# KiCad board R-PCBA-VPEG-PWR.kicad_pcb
date: 2024-04-13; rev: ${REVISION}; company: ${COMPANY}
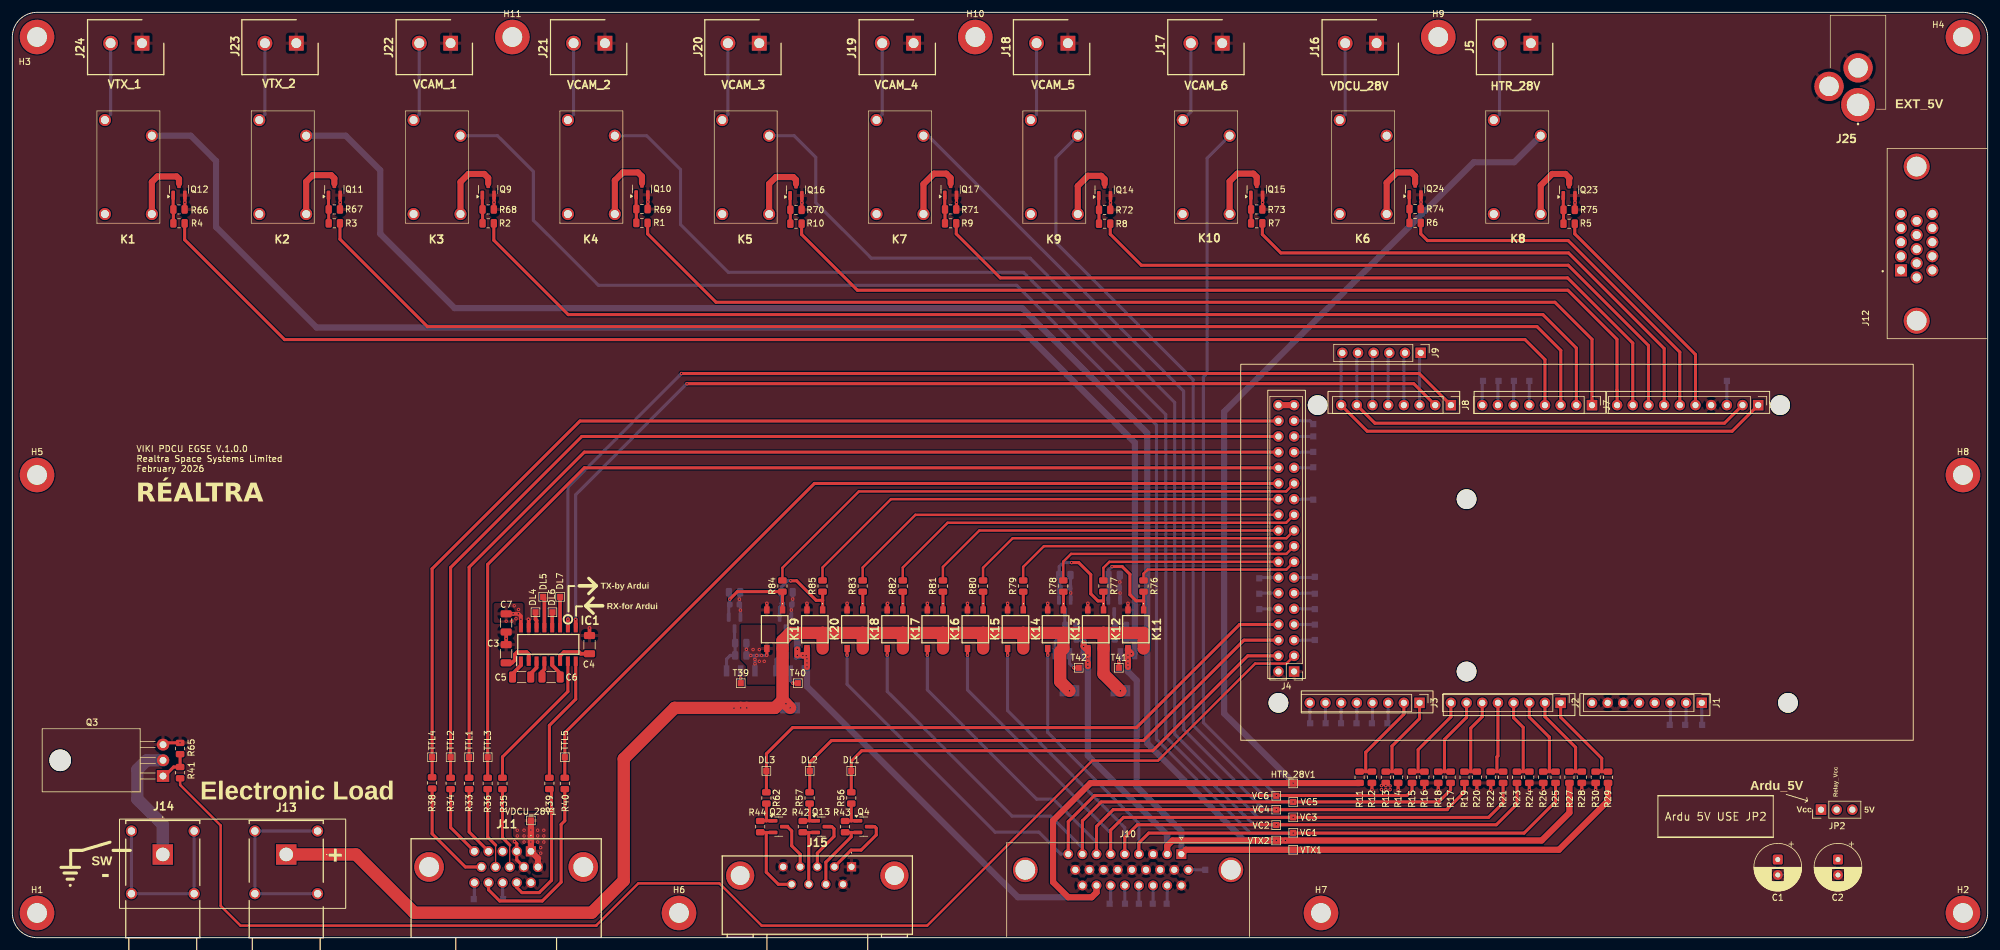
[diagram p0: board, top side]
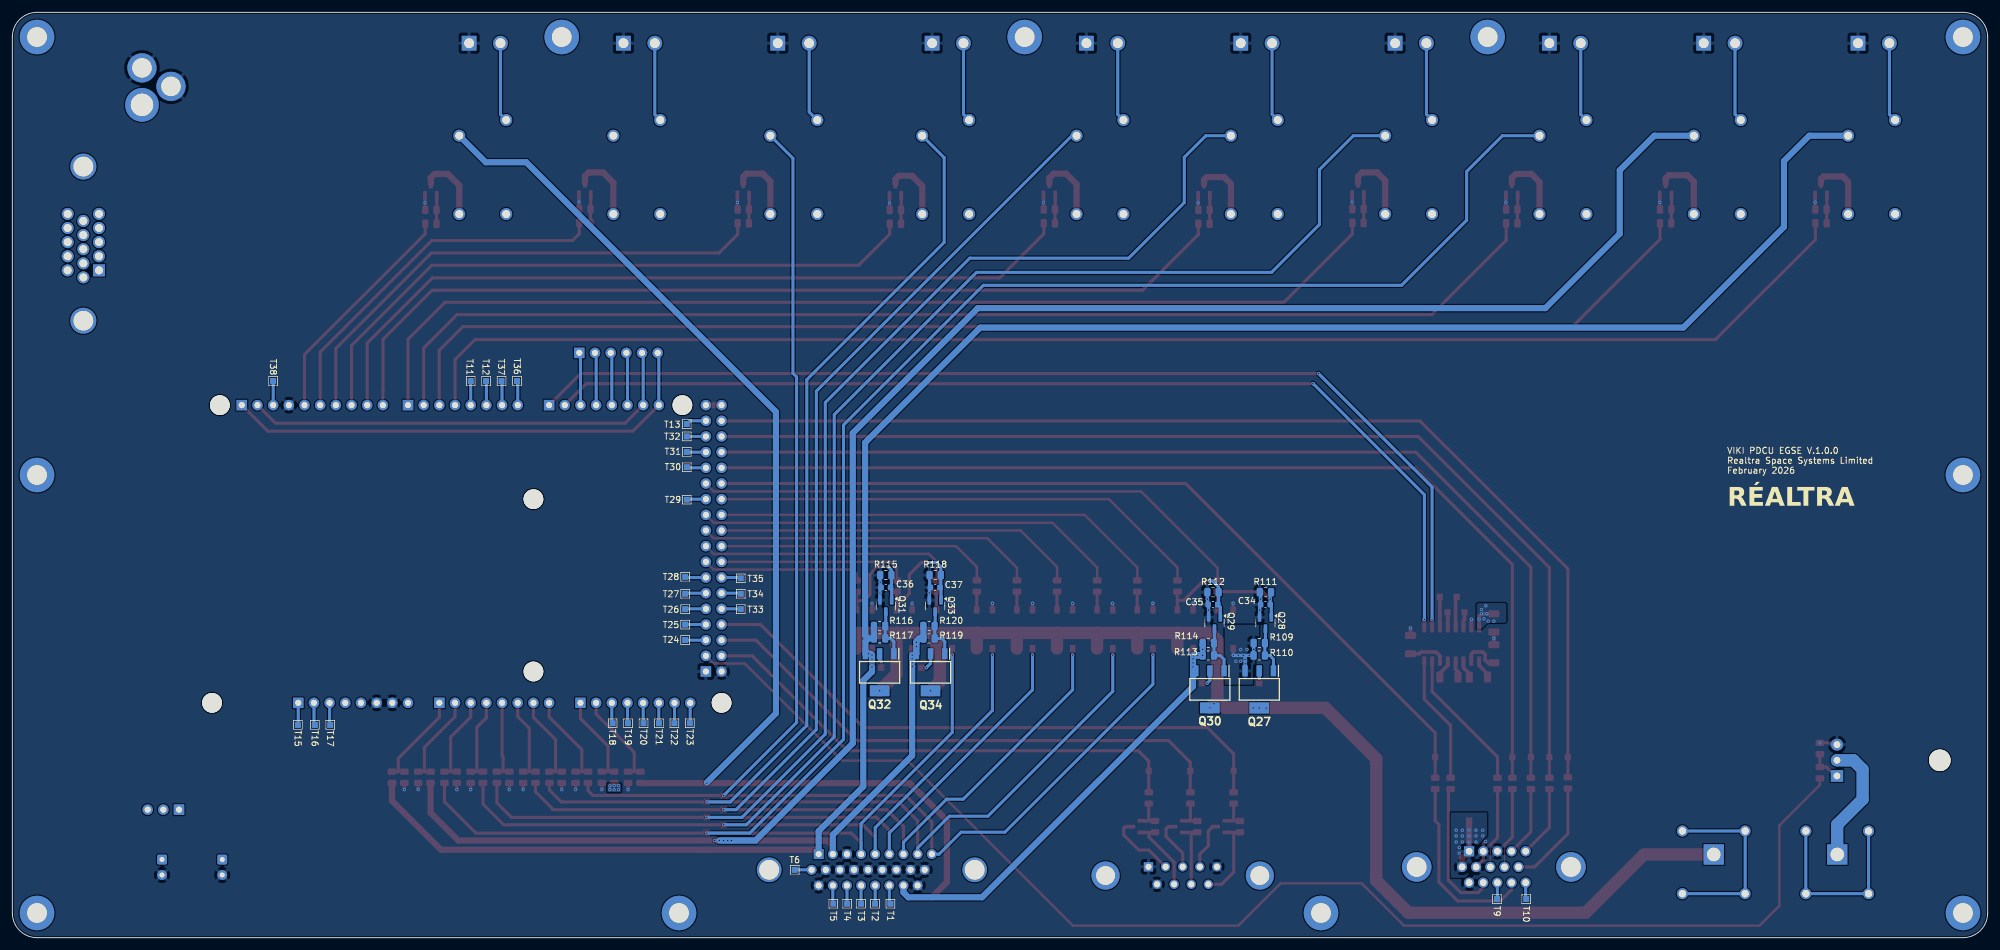
[diagram p1: board, bottom side, seen from below]

Outline 320 x 150 mm; copper layers: L1 (Sig, GND), L2 (GND) (plane), L3 (PWR) (plane), L4 (Sig, GND). Coordinates in mm from the lower left corner of the outline.
Outline path: 0,146 arc(1.17,148.83) 4,150 316,150 arc(318.83,148.83) 320,146 320,4 arc(318.83,1.17) 316,0 4,0 arc(1.17,1.17) 0,4 0,146
Stack: L1 (Sig, GND) 0.07mm / dielectric 0.1mm FR4_7628 er 4.29 / L2 (GND) 0.035mm / dielectric 1.21mm FR4 er 4.6 / L3 (PWR) 0.035mm / dielectric 0.1mm FR4_7628 er 4.29 / L4 (Sig, GND) 0.07mm

## Placement (name value [footprint] x y rotation side)
C1  100uF  [CP_Radial_D7.5mm_P2.50mm]  286 12.66 270 top
C2  100uF  [CP_Radial_D7.5mm_P2.50mm]  295.75 12.66 270 top
C3  1uF  [C_1206_3216Metric]  80 46.03 90 top
C4  1uF  [C_1206_3216Metric]  93.5 47.5 90 top
C5  1uF  [C_1206_3216Metric]  82.5 42.25 0 top
C6  1uF  [C_1206_3216Metric]  87.28 42.25 0 top
C7  1uF  [C_1206_3216Metric]  80 51.03 270 top
C34  100n  [C_0603_1608Metric]  117 54 0 bottom
C35  100n  [C_0603_1608Metric]  125.5 54 0 bottom
C36  100n  [C_0603_1608Metric]  178.5 56.77 0 bottom
C37  100n  [C_0603_1608Metric]  170.5 56.77 0 bottom
DL1  TestPoint  [TestPoint_Pad_1.0x1.0mm]  135.9 27.04 90 top
DL2  TestPoint  [TestPoint_Pad_1.0x1.0mm]  129.18 27.04 90 top
DL3  TestPoint  [TestPoint_Pad_1.0x1.0mm]  122.15 27.04 90 top
DL4  TestPoint  [TestPoint_Pad_1.0x1.0mm]  84.75 52.75 90 top
DL5  TestPoint  [TestPoint_Pad_1.0x1.0mm]  86 55.25 90 top
DL6  TestPoint  [TestPoint_Pad_1.0x1.0mm]  87.5 52.75 90 top
DL7  TestPoint  [TestPoint_Pad_1.0x1.0mm]  88.75 55.25 90 top
H1  MountingHole_Pad_MP  [MountingHole_3.2mm_M3_DIN965_Pad]  4 4 0 top
H2  MountingHole_Pad_MP  [MountingHole_3.2mm_M3_DIN965_Pad]  316 4 0 top
H3  MountingHole_Pad_MP  [MountingHole_3.2mm_M3_DIN965_Pad]  4 146 0 top
H4  MountingHole_Pad_MP  [MountingHole_3.2mm_M3_DIN965_Pad]  316 146 0 top
H5  MountingHole_Pad_MP  [MountingHole_3.2mm_M3_DIN965_Pad]  4 75 0 top
H6  MountingHole_Pad_MP  [MountingHole_3.2mm_M3_DIN965_Pad]  108 4 0 top
H7  MountingHole_Pad_MP  [MountingHole_3.2mm_M3_DIN965_Pad]  212 4 0 top
H8  MountingHole_Pad_MP  [MountingHole_3.2mm_M3_DIN965_Pad]  316 75 0 top
H9  MountingHole_Pad_MP  [MountingHole_3.2mm_M3_DIN965_Pad]  231 146 0 top
H10  MountingHole_Pad_MP  [MountingHole_3.2mm_M3_DIN965_Pad]  156 146 0 top
H11  MountingHole_Pad_MP  [MountingHole_3.2mm_M3_DIN965_Pad]  81 146 0 top
HTR_28V1  TestPoint  [TestPoint_Pad_1.0x1.0mm]  207.5 25 0 top
IC1  MAX232EIDR  [SOIC127P600X175-16N]  86.82 47.54 90 top
J1  Power  [PinHeader_1x08_P2.54mm_Vertical]  273.69 38.06 270 top
J2  Analog  [PinHeader_1x08_P2.54mm_Vertical]  250.82 38.06 270 top
J3  Analog  [PinHeader_1x08_P2.54mm_Vertical]  227.96 38.06 270 top
J4  Digital  [PinHeader_2x18_P2.54mm_Vertical]  207.64 43.15 180 top
J5  OSTOQ025450  [SHDR2W100P0X508_1X2_1216X860X1230P]  246 145 180 top
J6  PWM  [PinHeader_1x10_P2.54mm_Vertical]  282.83 86.32 270 top
J7  PWM  [PinHeader_1x08_P2.54mm_Vertical]  255.9 86.32 270 top
J8  Communication  [PinHeader_1x08_P2.54mm_Vertical]  233.05 86.32 270 top
J9  Conn_01x06  [PinHeader_1x06_P2.54mm_Vertical]  228.15 94.8 270 top
J10  Conn_01x26  [DSUB-26-HD_Socket_Horizontal_P2.29x2.54mm_EdgePinOffset8.35mm_Housed_MountingHolesOffset10.89mm]  189.38 13.54 0 top
J11  -  [L17HTHES4R1C]  84.01 14 0 top
J12  DA15_Socket_MountingHoles  [AMPHENOL_10090926-P154XLF]  308.5 112.5 90 top
J13  -  [FCR7350R]  44.37 13.49 90 top
J14  -  [FCR7350B]  24.37 13.49 90 top
J15  DE09-SL-24  [DE09SL24]  135.94 11.49 0 top
J16  OSTOQ025450  [SHDR2W100P0X508_1X2_1216X860X1230P]  221 145 180 top
J17  OSTOQ025450  [SHDR2W100P0X508_1X2_1216X860X1230P]  196 145 180 top
J18  OSTOQ025450  [SHDR2W100P0X508_1X2_1216X860X1230P]  171 145 180 top
J19  OSTOQ025450  [SHDR2W100P0X508_1X2_1216X860X1230P]  146 145 180 top
J20  OSTOQ025450  [SHDR2W100P0X508_1X2_1216X860X1230P]  121 145 180 top
J21  OSTOQ025450  [SHDR2W100P0X508_1X2_1216X860X1230P]  96 145 180 top
J22  OSTOQ025450  [SHDR2W100P0X508_1X2_1216X860X1230P]  71 145 180 top
J23  OSTOQ025450  [SHDR2W100P0X508_1X2_1216X860X1230P]  46 145 180 top
J24  OSTOQ025450  [SHDR2W100P0X508_1X2_1216X860X1230P]  21 145 180 top
J25  KLDX-0202-A-LT  [KLDX0202ALT]  299 135 270 top
JP2  Jumper_3_Open  [PinHeader_1x03_P2.54mm_Vertical]  293 20.75 90 top
K1  OJE-SH-105LMH,000  [OJESH105LMH000]  15 117.3 90 top
K2  OJE-SH-105LMH,000  [OJESH105LMH000]  40 117.3 90 top
K3  OJE-SH-105LMH,000  [OJESH105LMH000]  65 117.3 90 top
K4  OJE-SH-105LMH,000  [OJESH105LMH000]  90 117.3 90 top
K5  OJE-SH-105LMH,000  [OJESH105LMH000]  115 117.3 90 top
K6  OJE-SH-105LMH,000  [OJESH105LMH000]  215.04 117.3 90 top
K7  OJE-SH-105LMH,000  [OJESH105LMH000]  140 117.3 90 top
K8  OJE-SH-105LMH,000  [OJESH105LMH000]  240 117.3 90 top
K9  OJE-SH-105LMH,000  [OJESH105LMH000]  165 117.3 90 top
K10  OJE-SH-105LMH,000  [OJESH105LMH000]  189.6 117.3 90 top
K11  -  [VOR1003M4T]  182 50 270 top
K12  -  [VOR1003M4T]  175.5 50 270 top
K13  -  [VOR1003M4T]  169 50 270 top
K14  -  [VOR1003M4T]  162.5 50 270 top
K15  -  [VOR1003M4T]  156 50 270 top
K16  -  [VOR1003M4T]  149.5 50 270 top
K17  -  [VOR1003M4T]  143 50 270 top
K18  -  [VOR1003M4T]  136.5 50 270 top
K19  -  [VOR1003M4T]  123.5 50 270 top
K20  -  [VOR1003M4T]  130 50 270 top
MH1  -  [MountingHole_3.2mm]  286.38 86.32 180 bottom
MH2  -  [MountingHole_3.2mm]  287.65 38.06 180 bottom
MH3  -  [MountingHole_3.2mm]  235.58 71.09 180 bottom
MH4  -  [MountingHole_3.2mm]  235.58 43.15 180 bottom
MH5  -  [MountingHole_3.2mm]  211.45 86.32 180 bottom
MH6  -  [MountingHole_3.2mm]  205.11 38.06 180 bottom
Q3  IRLZ44N  [TO-220-3_Horizontal_TabDown]  24.41 26.21 90 top
Q4  IRLML2060  [SOT-23]  137.9 18 0 top
Q9  IRLML2060  [SOT-23]  77.09 121.3 90 top
Q10  IRLML2060  [SOT-23]  102 121.36 90 top
Q11  IRLML2060  [SOT-23]  52.16 121.3 90 top
Q12  IRLML2060  [SOT-23]  27 121.3 90 top
Q13  IRLML2060  [SOT-23]  131.06 18 0 top
Q14  IRLML2060  [SOT-23]  176.95 121.24 90 top
Q15  IRLML2060  [SOT-23]  201.59 121.3 90 top
Q16  IRLML2060  [SOT-23]  126.95 121.24 90 top
Q17  IRLML2060  [SOT-23]  152 121.3 90 top
Q22  IRLML2060  [SOT-23]  124.15 18 0 top
Q23  IRLML2060  [SOT-23]  252.2 121.24 90 top
Q24  IRLML2060  [SOT-23]  227.25 121.36 90 top
Q27  DMP6185SEQ-13  [SOT230P700X180-4N]  118 40.25 270 bottom
Q28  IRLML2060  [SOT-23]  117 51 270 bottom
Q29  IRLML2060  [SOT-23]  125.25 51 270 bottom
Q30  DMP6185SEQ-13  [SOT230P700X180-4N]  126 40.25 270 bottom
Q31  IRLML2060  [SOT-23]  178.5 53.77 270 bottom
Q32  DMP6185SEQ-13  [SOT230P700X180-4N]  179.5 43.02 270 bottom
Q33  IRLML2060  [SOT-23]  170.5 53.77 270 bottom
Q34  DMP6185SEQ-13  [SOT230P700X180-4N]  171.25 43.02 270 bottom
R1  100R  [R_0805_2012Metric]  102 115.86 180 top
R2  100R  [R_0805_2012Metric]  77.09 115.8 180 top
R3  100R  [R_0805_2012Metric]  52.16 115.8 180 top
R4  100R  [R_0805_2012Metric]  27 115.8 180 top
R5  100R  [R_0805_2012Metric]  252.2 115.74 180 top
R6  100R  [R_0805_2012Metric]  227.25 115.86 180 top
R7  100R  [R_0805_2012Metric]  201.59 115.8 180 top
R8  100R  [R_0805_2012Metric]  176.95 115.74 180 top
R9  100R  [R_0805_2012Metric]  152 115.8 180 top
R10  100R  [R_0805_2012Metric]  126.95 115.74 180 top
R11  100K  [R_0805_2012Metric]  218.25 26 270 top
R12  22K  [R_0805_2012Metric]  220.25 26 270 top
R13  100K  [R_0805_2012Metric]  222.5 26 270 top
R14  22K  [R_0805_2012Metric]  224.5 26 270 top
R15  100K  [R_0805_2012Metric]  226.75 26 270 top
R16  22K  [R_0805_2012Metric]  228.75 26 270 top
R17  100K  [R_0805_2012Metric]  233 26 270 top
R18  22K  [R_0805_2012Metric]  231 26 270 top
R19  100K  [R_0805_2012Metric]  235.25 26 270 top
R20  22K  [R_0805_2012Metric]  237.25 26 270 top
R21  100K  [R_0805_2012Metric]  241.5 26 270 top
R22  22K  [R_0805_2012Metric]  239.5 26 270 top
R23  100K  [R_0805_2012Metric]  243.75 26 270 top
R24  22K  [R_0805_2012Metric]  245.75 26 270 top
R25  100K  [R_0805_2012Metric]  250 26 270 top
R26  22K  [R_0805_2012Metric]  248 26 270 top
R27  100K  [R_0805_2012Metric]  252.25 26 270 top
R28  22K  [R_0805_2012Metric]  254.25 26 270 top
R29  100K  [R_0805_2012Metric]  258.5 26 270 top
R30  22K  [R_0805_2012Metric]  256.5 26 270 top
R33  100R  [R_0805_2012Metric]  74 25 270 top
R34  100R  [R_0805_2012Metric]  71 25 270 top
R35  100R  [R_0805_2012Metric]  79.4 25 270 top
R36  100R  [R_0805_2012Metric]  77 25 270 top
R38  100R  [R_0805_2012Metric]  68 25.09 90 top
R39  100R  [R_0805_2012Metric]  87 25 90 top
R40  100R  [R_0805_2012Metric]  89.5 25 90 top
R41  100R  [R_0805_2012Metric]  27.18 26.75 90 top
R42  100K  [R_0805_2012Metric]  128.06 18 270 top
R43  100K  [R_0805_2012Metric]  134.9 18 270 top
R44  100K  [R_0805_2012Metric]  121.15 18 270 top
R56  100R  [R_0805_2012Metric]  135.9 22.65 90 top
R57  100R  [R_0805_2012Metric]  129.15 22.65 90 top
R62  100R  [R_0805_2012Metric]  122.15 22.65 270 top
R65  10K  [R_0805_2012Metric]  27.18 30.66 90 top
R66  10K  [R_0805_2012Metric]  27 118.05 0 top
R67  10K  [R_0805_2012Metric]  52.16 118.05 0 top
R68  10K  [R_0805_2012Metric]  77.09 118.05 0 top
R69  10K  [R_0805_2012Metric]  102 118.11 0 top
R70  10K  [R_0805_2012Metric]  126.95 117.99 0 top
R71  10K  [R_0805_2012Metric]  152 118.05 0 top
R72  10K  [R_0805_2012Metric]  176.95 117.99 0 top
R73  10K  [R_0805_2012Metric]  201.59 118.05 0 top
R74  10K  [R_0805_2012Metric]  227.25 118.11 0 top
R75  10K  [R_0805_2012Metric]  252.2 117.99 0 top
R76  750R  [R_0805_2012Metric]  183.25 57 90 top
R77  750R  [R_0805_2012Metric]  176.75 57 90 top
R78  750R  [R_0805_2012Metric]  170.25 57 90 top
R79  750R  [R_0805_2012Metric]  163.75 57 90 top
R80  750R  [R_0805_2012Metric]  157.25 57 90 top
R81  750R  [R_0805_2012Metric]  150.75 57 90 top
R82  750R  [R_0805_2012Metric]  144.25 57 90 top
R83  750R  [R_0805_2012Metric]  137.75 57 90 top
R84  750R  [R_0805_2012Metric]  124.75 57 90 top
R85  750R  [R_0805_2012Metric]  131.25 57 90 top
R109  10K  [R_0805_2012Metric]  118 47.75 0 bottom
R110  10K  [R_0805_2012Metric]  118 45.75 0 bottom
R111  2K  [R_0805_2012Metric]  117 56 0 bottom
R112  2K  [R_0805_2012Metric]  125.5 56 0 bottom
R113  10K  [R_0805_2012Metric]  126.25 45.75 0 bottom
R114  10K  [R_0805_2012Metric]  126.25 47.75 0 bottom
R115  2K  [R_0805_2012Metric]  178.5 58.77 0 bottom
R116  10K  [R_0805_2012Metric]  179.5 50.52 0 bottom
R117  10K  [R_0805_2012Metric]  179.5 48.52 0 bottom
R118  2K  [R_0805_2012Metric]  170.5 58.77 0 bottom
R119  10K  [R_0805_2012Metric]  171.5 48.5 0 bottom
R120  10K  [R_0805_2012Metric]  171.5 50.52 0 bottom
T1  TestPoint  [TestPoint_Pad_1.0x1.0mm]  177.75 5.5 180 bottom
T2  TestPoint  [TestPoint_Pad_1.0x1.0mm]  180.25 5.5 180 bottom
T3  TestPoint  [TestPoint_Pad_1.0x1.0mm]  182.5 5.5 180 bottom
T4  TestPoint  [TestPoint_Pad_1.0x1.0mm]  184.75 5.5 180 bottom
T5  TestPoint  [TestPoint_Pad_1.0x1.0mm]  187 5.5 180 bottom
T6  TestPoint  [TestPoint_Pad_1.0x1.0mm]  193.25 11 180 bottom
T9  TestPoint  [TestPoint_Pad_1.0x1.0mm]  79.5 6.25 180 bottom
T10  TestPoint  [TestPoint_Pad_1.0x1.0mm]  74.75 6.25 180 bottom
T11  TestPoint  [TestPoint_Pad_1.0x1.0mm]  245.75 90.25 180 bottom
T12  TestPoint  [TestPoint_Pad_1.0x1.0mm]  243.25 90.25 180 bottom
T13  TestPoint  [TestPoint_Pad_1.0x1.0mm]  210.75 83.25 180 bottom
T15  TestPoint  [TestPoint_Pad_1.0x1.0mm]  273.75 34.5 180 bottom
T16  TestPoint  [TestPoint_Pad_1.0x1.0mm]  271 34.5 180 bottom
T17  TestPoint  [TestPoint_Pad_1.0x1.0mm]  268.5 34.5 180 bottom
T18  TestPoint  [TestPoint_Pad_1.0x1.0mm]  222.75 34.75 180 bottom
T19  TestPoint  [TestPoint_Pad_1.0x1.0mm]  220.25 34.75 180 bottom
T20  TestPoint  [TestPoint_Pad_1.0x1.0mm]  217.75 34.75 180 bottom
T21  TestPoint  [TestPoint_Pad_1.0x1.0mm]  215.25 34.75 180 bottom
T22  TestPoint  [TestPoint_Pad_1.0x1.0mm]  212.75 34.75 180 bottom
T23  TestPoint  [TestPoint_Pad_1.0x1.0mm]  210.25 34.75 180 bottom
T24  TestPoint  [TestPoint_Pad_1.0x1.0mm]  211 48.25 180 bottom
T25  TestPoint  [TestPoint_Pad_1.0x1.0mm]  211 50.75 180 bottom
T26  TestPoint  [TestPoint_Pad_1.0x1.0mm]  211 53.25 180 bottom
T27  TestPoint  [TestPoint_Pad_1.0x1.0mm]  211 55.75 180 bottom
T28  TestPoint  [TestPoint_Pad_1.0x1.0mm]  211 58.5 180 bottom
T29  TestPoint  [TestPoint_Pad_1.0x1.0mm]  210.75 71 180 bottom
T30  TestPoint  [TestPoint_Pad_1.0x1.0mm]  210.75 76.25 180 bottom
T31  TestPoint  [TestPoint_Pad_1.0x1.0mm]  210.75 78.75 180 bottom
T32  TestPoint  [TestPoint_Pad_1.0x1.0mm]  210.75 81.25 90 bottom
T33  TestPoint  [TestPoint_Pad_1.0x1.0mm]  202 53.25 180 bottom
T34  TestPoint  [TestPoint_Pad_1.0x1.0mm]  202 55.75 180 bottom
T35  TestPoint  [TestPoint_Pad_1.0x1.0mm]  202 58.25 180 bottom
T36  TestPoint  [TestPoint_Pad_1.0x1.0mm]  238.25 90.25 180 bottom
T37  TestPoint  [TestPoint_Pad_1.0x1.0mm]  240.75 90.25 180 bottom
T38  TestPoint  [TestPoint_Pad_1.0x1.0mm]  277.75 90.25 180 bottom
T39  TestPoint  [TestPoint_Pad_1.0x1.0mm]  118 41.25 0 top
T40  TestPoint  [TestPoint_Pad_1.0x1.0mm]  127.25 41.25 0 top
T41  TestPoint  [TestPoint_Pad_1.0x1.0mm]  179.25 43.75 0 top
T42  TestPoint  [TestPoint_Pad_1.0x1.0mm]  172.75 43.75 0 top
TTL1  TestPoint  [TestPoint_Pad_1.0x1.0mm]  74 29.25 90 top
TTL2  TestPoint  [TestPoint_Pad_1.0x1.0mm]  71 29.25 90 top
TTL3  TestPoint  [TestPoint_Pad_1.0x1.0mm]  77 29.25 90 top
TTL4  TestPoint  [TestPoint_Pad_1.0x1.0mm]  68 29.25 90 top
TTL5  TestPoint  [TestPoint_Pad_1.0x1.0mm]  89.5 29.25 90 top
VC1  TestPoint  [TestPoint_Pad_1.0x1.0mm]  207.5 17 0 top
VC2  TestPoint  [TestPoint_Pad_1.0x1.0mm]  204.75 18.25 0 top
VC3  TestPoint  [TestPoint_Pad_1.0x1.0mm]  207.5 19.5 0 top
VC4  TestPoint  [TestPoint_Pad_1.0x1.0mm]  204.75 20.75 0 top
VC5  TestPoint  [TestPoint_Pad_1.0x1.0mm]  207.5 22 0 top
VC6  TestPoint  [TestPoint_Pad_1.0x1.0mm]  204.75 23 0 top
VDCU_28V1  TestPoint  [TestPoint_Pad_1.0x1.0mm]  84 19 0 top
VTX1  TestPoint  [TestPoint_Pad_1.0x1.0mm]  207.5 14.25 0 top
VTX2  TestPoint  [TestPoint_Pad_1.0x1.0mm]  204.75 15.75 0 top

## Library data of the parts
C1 = -: Description: Polarized capacitor; Realtra Part Number: R-CAP-0237-100u; Manufacturer Name: Würth Elektronik; Manufacturer Part Number: 875115652007; ki_fp_filters: CP_*
C2 = -: Description: Polarized capacitor; Realtra Part Number: R-CAP-0237-100u; Manufacturer: Würth Elektronik; Manufacturer Part Number: 875115652007; ki_fp_filters: CP_*
C3-C7 = -: Datasheet: https://pim.murata.com/en-sg/pim/details/?partNum=GCJ31CR72A105KA01%23&displayChangeClass=productDetailPrint; Description: Unpolarized capacitor; Realtra Part Number: R-CAP-0241-1uF; Manufacturer Part Number: GCJ31CR72A105KA01L; Manufacturer: Murata Electronics; ki_fp_filters: C_*
C34-C37 = -: Datasheet: https://datasheets.kyocera-avx.com/KGM_X7R.pdf; Description: Unpolarized capacitor; 0.1 µF ±5% 50V Ceramic Capacitor X7R 0603 (1608 Metric); Realtra Part Number: R-CAP-0051-100N; Manufacturer Part Number: KGM15BR71H104JT; Manufacturer: KYOCERA AVX; ki_fp_filters: C_*
DL1-DL7 HTR_28V1 T1-T6 T9-T13 T15-T42 TTL1-TTL5 VC1-VC6 VDCU_28V1 VTX1 VTX2 = -: Description: test point; ki_fp_filters: Pin* Test*
H1-H11 = -: Description: Mounting Hole with connection as pad named MP; ki_fp_filters: MountingHole*Pad*
IC1 = -: Datasheet: http://www.ti.com/lit/gpn/max232e; Description: Dual RS-232 Driver/Receiver with IEC61000-4-2  Protection; Height: 1.75; Manufacturer: Texas Instruments; Mouser Part Number: 595-MAX232EIDR; Mouser Price/Stock: https://www.mouser.co.uk/ProductDetail/Texas-Instruments/MAX232EIDR?qs=iSMark9AYDVruChIvfS6ZQ%3D%3D; Arrow Price/Stock: https://www.arrow.com/en/products/max232eidr/texas-instruments?utm_currency=USD&region=nac; Realtra Part Number: R-ICX-0109-XCVR
J1-J3 J7 J8 = -: Datasheet: https://www.we-online.com/components/products/datasheet/61300811121.pdf; Description: Pin Header, Vertical, Board-to-Board, 2.54 mm, 1 Rows, 8 Contacts, Through Hole Straight, WR-PHD; Realtra Part Number: R-CON-1268-SHV8; Manufacturer: WURTH ELEKTRONIK; Manufacturer Part Number: 61300811121; ki_fp_filters: Connector*:*_1x??_*
J4 = -: Datasheet: https://www.we-online.com/components/products/datasheet/61304021121.pdf; Description: Pin Header, Vertical, Board-to-Board, 2.54 mm, 2 Rows, 40 Contacts, Through Hole Straight, WR-PHD; Realtra Part Number: R-CON-1270-2RVH; Manufacturer: WURTH ELEKTRONIK; Manufacturer Part Number: 61304021121; ki_fp_filters: Connector*:*_2x??_*
J5 J16-J24 = -: Datasheet: https://www.on-shore.com/wp-content/uploads/OSTOQXX5450.pdf; Description: TERM BLOCK HDR 2POS VERT 5.08MM; Height: 12.3; Manufacturer: On Shore Technology Inc.; Arrow Price/Stock: https://www.arrow.com/en/products/ostoq025450/on-shore-technology?region=nac; Realtra Part Number: R-CON-1262-VTBH
J6 = -: Datasheet: https://www.we-online.com/components/products/datasheet/61301211121.pdf; Description: Pin Header, Vertical, Board-to-Board, 2.54 mm, 1 Rows, 12 Contacts, Through Hole Straight, WR-PHD; Realtra Part Number: R-CON-1269-SH12; Manufacturer: WURTH ELEKTRONIK; Manufacturer Part Number: 61301211121; ki_fp_filters: Connector*:*_1x??_*
J9 = -: Datasheet: https://www.we-online.com/components/products/datasheet/61300811121.pdf; Description: Generic connector, single row, 01x06, script generated (kicad-library-utils/schlib/autogen/connector/); Realtra Part Number: R-CON-1268-SHV8; Manufacturer: WURTH ELEKTRONIK; Manufacturer Part Number: 61300811121; ki_fp_filters: Connector*:*_1x??_*
J10 = -: Datasheet: https://cdn.amphenol-cs.com/media/wysiwyg/files/documentation/datasheet/inputoutput/io_d_sub_hd_stamped_formed_right_angle.pdf; Description: 26 Position D-Sub, High Density Receptacle, Female Sockets Connector; Realtra Part Number: R-CON-1263-26PO; Manufacturer Part Number: L77HDA26SD1CH4F; Manufacturer: Amphenol ICC (Commercial Products); ki_fp_filters: Connector*:*_1x??_*
J11 = -: Datasheet: https://cdn.amphenol-cs.com/media/wysiwyg/files/drawing/l17hthxs4rxc.p; Description: Dsub, Stamped Signal 3A, Right Angle PCB Thru Hole, Hight Temp High Density, FP=8.89mm (0.350in), 15 Socket, Bright Tin Shell, Flash Gold, 4-40 Rear Insert, Ground Tab&Boardlock, Plastic Tray, Close Back; Height: 12.93; Manufacturer: Amphenol Communications Solutions; Mouser Part Number: 523-L17HTHES4R1C; Mouser Price/Stock: https://www.mouser.co.uk/ProductDetail/Amphenol-Commercial-Products/L17HTHES4R1C?qs=WHK%2FphiOHJaD15gkdKzsig%3D%3D; Realtra Part Number: R-CON-1264-15PO
J12 = -: Datasheet: https://cdn.amphenol-cs.com/media/wysiwyg/files/documentation/datasheet/inputoutput/io_dsub_brochure.pdf; Description: 15 Position D-Sub, High Density Plug, Male Pins Connector; Realtra Part Number: R-CON-1271-15PI; Manufacturer: Amphenol ICC (FCI); Manufacturer Part Number: 10090926-P154XLF; ki_fp_filters: DSUB*Socket*
J13 = -: Datasheet: http://www.cliffuk.co.uk/products/testleads/sockets/S16NPC.pdf; Description: CLIFF ELECTRONIC COMPONENTS - FCR7350R - SOCKET, PCB, 4MM, R/A, S16N-PC, RED; Height: 11.5; Realtra Part Number: R-CON-1266-BRED; Manufacturer: CLIFF ELECTRONIC COMPONENTS
J14 = -: Datasheet: https://www.cliffuk.co.uk/products/testleads/sockets/S16NPC.pdf; Description: Banana Jack Connector Standard Banana Solder Black Female  Through Hole, Right Angle; Height: 12.3; Realtra Part Number: R-CON-1267-BBLK; Manufacturer: CLIFF ELECTRONIC COMPONENTS
J15 = -: Datasheet: https://app.adam-tech.com/products/download/data_sheet/198472/dxxx-sl-24-data-sheet.pdf; Description: 9 Position D-Sub Receptacle, Female Sockets Connector 250VAC ,3A,-20C ~ 85C; Height: 12.9286; Arrow Price/Stock: https://www.arrow.com/en/products/de09-sl-24/adam-tech?region=nac; Realtra Part Number: R-CON-1265-9POS; Manufacturer: Adam Tech
J25 = -: Datasheet: https://datasheet.datasheetarchive.com/originals/distributors/Datasheets_SAMA/771821c415f39d72624e307b8d446931.pdf; Description: DC Power Connectors 2.0mm PCB JACK LOCKING TYPE; Realtra Part Number: R-CON-1261-KLDX; Height: 11; Mouser Part Number: 806-KLDX-0202-A-LT; Mouser Price/Stock: https://www.mouser.co.uk/ProductDetail/Kycon/KLDX-0202-A-LT?qs=epXiFF%2FxuAFzEbYcT5hH6A%3D%3D; Manufacturer Name: Kycon
JP2 = -: Description: Jumper, 3-pole, both open; ki_fp_filters: Jumper* TestPoint*3Pads* TestPoint*Bridge*
K1-K10 = -: Datasheet: https://www.te.com/commerce/DocumentDelivery/DDEController?Action=srchrtrv&DocNm=OJ_OJE_series_relay_data_sheet_E&DocType=Data%20Sheet&DocLang=English&PartCntxt=1461403-3&DocFormat=pdf; Description: General Purpose Relay SPST-NO (1 Form A) 5VDC Coil Through Hole; Height: 15.4; Manufacturer: TE Connectivity; Mouser Part Number: 655-OJE-SH-105LMH000; Mouser Price/Stock: https://www.mouser.co.uk/ProductDetail/TE-Connectivity-OEG/OJE-SH-105LMH000?qs=rXmh1mW8ce0zswaxMAs1fQ%3D%3D; Realtra Part Number: R-SWI-0002-RESW
K11-K20 = -: Datasheet: https://www.digikey.com/en/products/detail/vishay-semiconductor-opto-division/VOR1003M4T/25973730?msockid=3bdc366bbe0663d83c1223c0bf3662a6; Description: Solid State SPST-NO (1 Form A) 4-SMD, Gull Wing; Height: 2.38; Manufacturer: Vishay; Realtra Part Number: R-SWI-0003-PRSW
Q3 = -: Datasheet: http://www.irf.com/product-info/datasheets/data/irlz44n.pdf; Description: 47A Id, 55V Vds, 22mOhm Rds Single N-Channel HEXFET Power MOSFET, TO-220AB; Realtra Part Number: R-FET-0022-NCTO; Manufacturer Part Number: IRLZ44NPBF; Manufacturer: Infineon Technologies; ki_fp_filters: TO?220*